# KiCad board Panel2.kicad_pcb (continued)
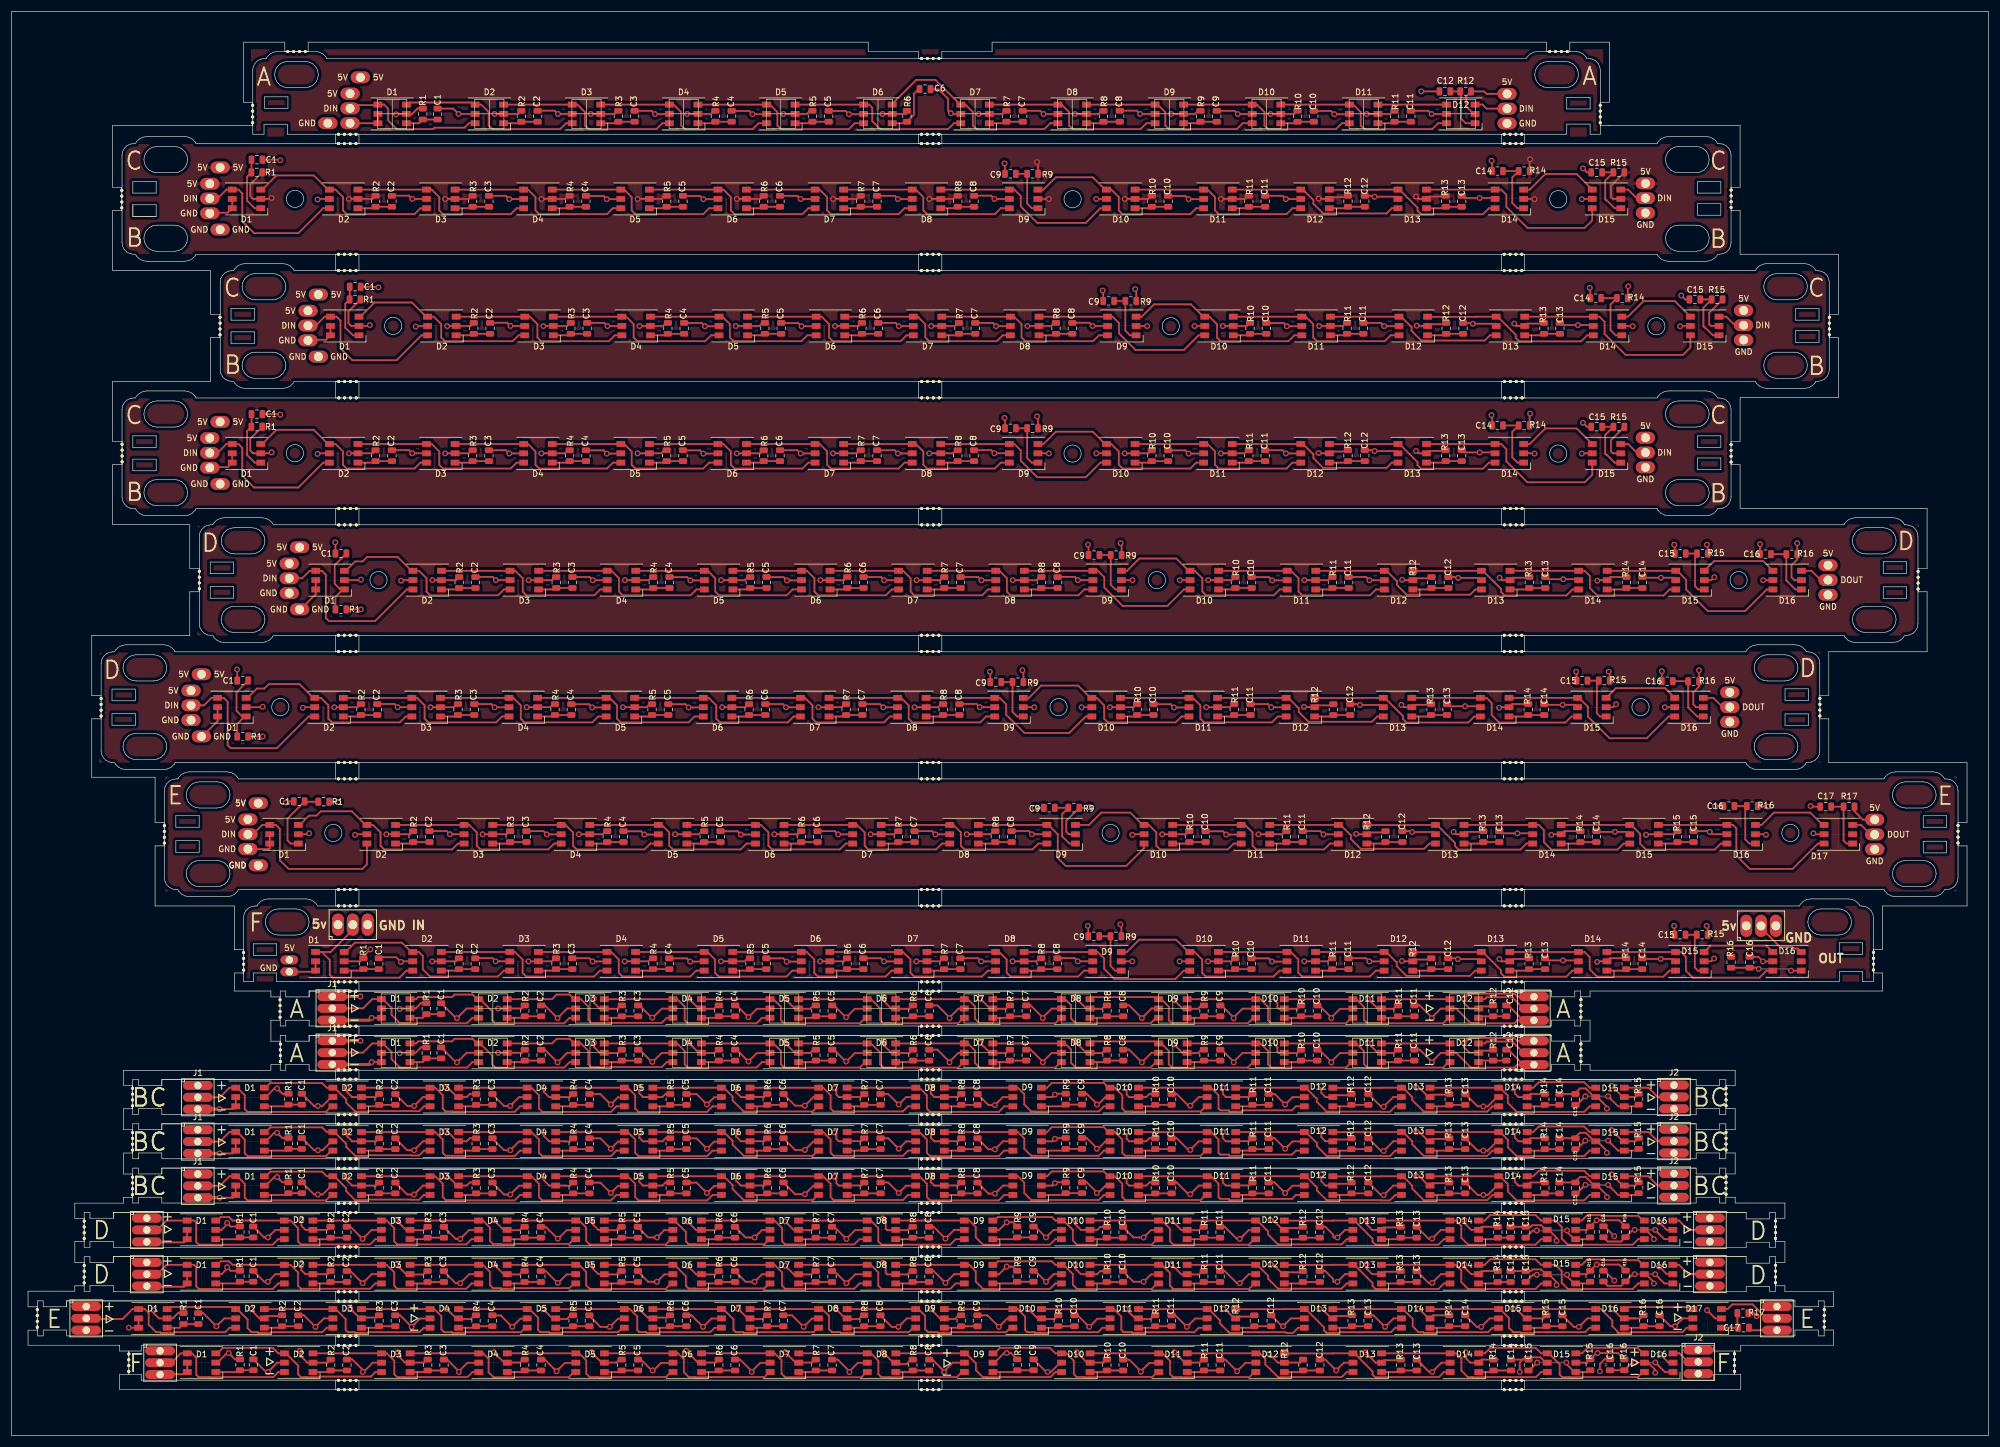
[diagram p0: board, top side]
## Routing (per net, layer and track width the routed paths; a pad name or vN(x,y) marks a point on that pad's centre or on a via; arc(x,y) is an arc through that point) (continued)
130.69,74.87 131.97,73.59 131.97,71.29 132.54,70.73 145.51,70.73 146.46,71.67 ; 129.64,67.27 130.69,67.27 131.97,65.99 131.97,63.7 132.54,63.13 145.51,63.13 146.46,64.07 ; 118.03,74.87 129.79,74.87 ; 118.03,67.27 129.79,67.27 ; 146.66,74.87 147.43,74.87 148.99,73.31 148.99,71.29 149.56,70.73 162.37,70.73 163.32,71.67 ; 146.66,67.27 147.43,67.27 148.99,65.71 148.99,63.7 149.56,63.13 162.37,63.13 163.32,64.07 ; 113.13,74.87 114.18,74.87 115.46,73.59 115.46,71.29 116.03,70.73 127.8,70.73 128.74,71.67 129.79,71.67 ; 113.13,67.27 114.18,67.27 115.46,65.99 115.46,63.7 116.03,63.13 127.8,63.13 128.74,64.07 129.79,64.07 ; 101.52,74.87 113.28,74.87 ; 101.52,67.27 113.28,67.27 ; 168.07,74.87 179.83,74.87 ; 168.07,67.27 179.83,67.27 ; 151.56,74.87 163.32,74.87 ; 151.56,67.27 163.32,67.27 ; 179.99,64.07 179.04,63.13 166.07,63.13 165.25,63.94 165.25,66.06 164.04,67.27 163.17,67.27 ; 179.99,71.67 179.04,70.73 166.07,70.73 165.25,71.54 165.25,73.66 164.04,74.87 163.17,74.87 ; 213.01,71.67 212.06,70.73 199.09,70.73 198.52,71.29 198.52,73.59 197.24,74.87 196.19,74.87 ; 213.01,64.07 212.06,63.13 199.09,63.13 198.52,63.7 198.52,65.99 197.24,67.27 196.19,67.27 ; 179.68,74.87 180.73,74.87 181.75,73.84 181.75,71.55 182.58,70.73 195.39,70.73 196.34,71.67 ; 179.68,67.27 180.73,67.27 181.75,66.25 181.75,63.95 182.58,63.13 195.39,63.13 196.34,64.07 ; 196.34,74.87 195.99,75.23 184.93,75.23 184.58,74.87 ; 196.34,67.27 195.99,67.63 184.93,67.63 184.58,67.27 ; 218.1,74.87 229.87,74.87 ; 218.1,67.27 229.87,67.27 ; 229.71,74.87 230.68,74.87 232,73.55 232,71.34 232.62,70.73 245.59,70.73 246.54,71.67 ; 229.71,67.27 230.68,67.27 232,65.95 232,63.74 232.62,63.13 245.59,63.13 246.54,64.07 ; 234.61,74.87 246.38,74.87 ; 234.61,67.27 246.38,67.27 ; v1(132.65,74.98) 134.4,73.23 136.99,73.23 137.57,73.8 ; v1(132.65,67.38) 134.4,65.63 136.99,65.63 137.57,66.21 ; v1(116.15,74.98) 117.9,73.23 120.48,73.23 121.06,73.8 ; v1(116.15,67.38) 117.9,65.63 120.48,65.63 121.06,66.21 ; v1(99.9,74.98) 99.9,74.27 100.95,73.23 103.97,73.23 104.55,73.8 ; v1(99.9,67.38) 99.9,66.67 100.95,65.63 103.97,65.63 104.55,66.21 ; v1(83.46,73.26) 83.47,73.27 D2#10.2 87.51,73.27 R2#10.1 ; v1(83.46,65.66) 83.47,65.67 D2#9.2 87.51,65.67 R2#9.1 ; D12#10.2 252.02,73.63 253.97,73.63 R12#10.1 ; D12#10.2 251.97,73.58 ; D12#10.2 250.11,73.27 249.15,74.23 v1(249.15,74.98) 250,75.83 257.8,75.83 258.32,75.31 J2#9.1 ; D12#9.2 252.02,66.03 253.97,66.03 R12#9.1 ; D12#9.2 251.97,65.98 ; D12#9.2 250.11,65.67 249.15,66.63 v1(249.15,67.38) 250,68.23 257.8,68.23 258.32,67.71 J2#8.1 ; v1(66.57,73.2) 66.64,73.27 D1#10.2 69.31,73.27 70.25,74.22 71.11,74.22 R1#10.1 ; v1(66.57,65.6) 66.64,65.67 D1#9.2 69.31,65.67 70.25,66.62 71.11,66.62 R1#9.1 ; v1(149.65,75.23) 149.65,74.52 150.95,73.23 154.01,73.23 154.59,73.8 ; v1(149.65,67.63) 149.65,66.92 150.95,65.63 154.01,65.63 154.59,66.21 ; v1(182.4,75.23) 184.4,73.23 187.03,73.23 187.61,73.8 ; v1(182.4,67.63) 184.4,65.63 187.03,65.63 187.61,66.21 ; v1(216.15,75.23) 217.15,74.23 217.15,73.48 217.4,73.23 220.56,73.23 221.14,73.8 ; v1(216.15,67.63) 217.15,66.63 217.15,65.88 217.4,65.63 220.56,65.63 221.14,66.21 ; 171.1,73.8 170.52,73.23 167.9,73.23 v1(166.15,74.98) ; 171.1,66.21 170.52,65.63 167.9,65.63 v1(166.15,67.38) ; 204.12,73.8 203.54,73.23 200.9,73.23 v1(199.4,74.73) ; 204.12,66.21 203.54,65.63 200.9,65.63 v1(199.4,67.13) ; v1(232.65,74.98) 234.4,73.23 237.07,73.23 237.65,73.8 ; v1(232.65,67.38) 234.4,65.63 237.07,65.63 237.65,66.21 ; 98.86,41.53 96.06,41.53 95.81,41.28 93.03,41.28 ; 98.86,56.73 96.06,56.73 95.81,56.48 93.03,56.48 ; 98.86,49.13 96.06,49.13 95.81,48.88 93.03,48.88 ; 82.35,41.53 79.55,41.53 79.3,41.28 76.52,41.28 ; 82.35,56.73 79.55,56.73 79.3,56.48 76.52,56.48 ; 82.35,49.13 79.55,49.13 79.3,48.88 76.52,48.88 ; 132.38,41.53 129.59,41.53 129.33,41.28 126.56,41.28 ; 132.38,56.73 129.59,56.73 129.33,56.48 126.56,56.48 ; 132.38,49.13 129.59,49.13 129.33,48.88 126.56,48.88 ; 109.54,41.28 112.32,41.28 112.57,41.53 115.37,41.53 ; 109.54,56.48 112.32,56.48 112.57,56.73 115.37,56.73 ; 109.54,48.88 112.32,48.88 112.57,49.13 115.37,49.13 ; 143.07,41.28 145.84,41.28 146.1,41.53 148.89,41.53 ; 143.07,56.48 145.84,56.48 146.1,56.73 148.89,56.73 ; 143.07,48.88 145.84,48.88 146.1,49.13 148.89,49.13 ; 221.73,42.85 219.75,42.85 v1(218.49,41.6) 216.68,43.41 215.66,43.41 ; 221.73,58.05 219.75,58.05 v1(218.49,56.8) 216.68,58.61 215.66,58.61 ; 221.73,50.45 219.75,50.45 v1(218.49,49.2) 216.68,51.01 215.66,51.01 ; C10#12.2 199.88,43.41 201.89,41.4 v1(202.19,41.4) 203.67,42.88 D11#11.5 ; C10#13.2 199.88,58.61 201.89,56.6 v1(202.19,56.6) 203.67,58.08 D11#13.5 ; C10#11.2 199.88,51.01 201.89,49 v1(202.19,49) 203.67,50.48 D11#12.5 ; 121.78,42.83 120.52,42.83 v1(119.29,41.6) 117.5,43.38 115.71,43.38 ; 121.78,58.03 120.52,58.03 v1(119.29,56.8) 117.5,58.58 115.71,58.58 ; 121.78,50.43 120.52,50.43 v1(119.29,49.2) 117.5,50.98 115.71,50.98 ; 132.4,43.41 134.41,41.4 v1(136.09,41.4) 137.55,42.85 138.47,42.85 ; 132.4,58.61 134.41,56.6 v1(136.09,56.6) 137.55,58.05 138.47,58.05 ; 132.4,51.01 134.41,49 v1(136.09,49) 137.55,50.45 138.47,50.45 ; 105.22,42.83 104.02,42.83 v1(102.79,41.6) 101,43.38 99.15,43.38 ; 105.22,58.03 104.02,58.03 v1(102.79,56.8) 101,58.58 99.15,58.58 ; 105.22,50.43 104.02,50.43 v1(102.79,49.2) 101,50.98 99.15,50.98 ; 165.65,43.43 167.59,41.5 v1(168.69,41.5) 170.07,42.88 171.72,42.88 ; 165.65,58.63 167.59,56.7 v1(168.69,56.7) 170.07,58.08 171.72,58.08 ; 165.65,51.03 167.59,49.1 v1(168.69,49.1) 170.07,50.48 171.72,50.48 ; 149.09,43.41 150.38,43.41 v1(152.19,41.6) 153.45,42.85 155.16,42.85 ; 149.09,58.61 150.38,58.61 v1(152.19,56.8) 153.45,58.05 155.16,58.05 ; 149.09,51.01 150.38,51.01 v1(152.19,49.2) 153.45,50.45 155.16,50.45 ; D10#11.5 187.67,42.88 186.39,41.6 v1(186.19,41.6) 186.19,41.7 184.44,43.45 C9#11.2 ; D10#13.5 187.67,58.08 186.39,56.8 v1(186.19,56.8) 186.19,56.9 184.44,58.65 C9#13.2 ; D10#12.5 187.67,50.48 186.39,49.2 v1(186.19,49.2) 186.19,49.3 184.44,51.05 C9#12.2 ; D14#8.5 254.85,42.88 253.25,41.28 v1(252.49,41.28) 251.51,41.28 C13#8.2 ; D14#10.5 254.85,58.08 253.25,56.48 v1(252.49,56.48) 251.51,56.48 C13#10.2 ; D14#9.5 254.85,50.48 253.25,48.88 v1(252.49,48.88) 251.51,48.88 C13#9.2 ; C12#11.2 234.94,41.23 v1(235.39,41.23) 237.04,42.88 D13#8.5 ; C12#13.2 234.94,56.43 v1(235.39,56.43) 237.04,58.08 D13#10.5 ; C12#12.2 234.94,48.83 v1(235.39,48.83) 237.04,50.48 D13#9.5 ; R12#13.1 229.64,58.38 226.98,58.38 D12#13.2 225.41,58.08 224.69,58.8 v1(224.69,60) ; R12#12.1 229.64,50.78 226.98,50.78 D12#12.2 225.41,50.48 224.69,51.2 v1(224.69,52.4) ; R12#11.1 229.64,43.18 226.98,43.18 D12#11.2 225.41,42.88 224.69,43.6 v1(224.69,44.8) ; R13#10.1 246.51,58.49 243.74,58.49 D13#10.2 243.09,58.08 241.47,59.7 v1(240.99,59.7) ; R13#9.1 246.51,50.89 243.74,50.89 D13#9.2 243.09,50.48 241.47,52.1 v1(240.99,52.1) ; R13#8.1 246.51,43.29 243.74,43.29 D13#8.2 243.09,42.88 241.47,44.5 v1(240.99,44.5) ; 263.3,58.61 260.53,58.61 D14#10.2 258.51,58.08 257.89,58.7 v1(257.89,59.8) ; 263.3,51.01 260.53,51.01 D14#9.2 258.51,50.48 257.89,51.1 v1(257.89,52.2) ; 263.3,43.41 260.53,43.41 D14#8.2 258.51,42.88 257.89,43.5 v1(257.89,44.6) ; R6#13.1 129.12,58.1 126.69,58.1 D6#13.2 125.11,58.08 124.29,58.9 v1(124.29,59.7) ; R6#12.1 129.12,50.5 126.69,50.5 D6#12.2 125.11,50.48 124.29,51.3 v1(124.29,52.1) ; R6#11.1 129.12,42.9 126.69,42.9 D6#11.2 125.11,42.88 124.29,43.7 v1(124.29,44.5) ; R15#10.1 278.57,58.08 D15#10.2 276.42,58.08 274.5,60 v1(274.49,60) ; R15#9.1 278.57,50.48 D15#9.2 276.42,50.48 274.5,52.4 v1(274.49,52.4) ; R15#8.1 278.57,42.88 D15#8.2 276.42,42.88 274.5,44.8 v1(274.49,44.8) ; R2#13.1 62.51,58.08 D2#13.2 58.41,58.08 57.49,59 v1(57.49,59.7) ; R2#12.1 62.51,50.48 D2#12.2 58.41,50.48 57.49,51.4 v1(57.49,52.1) ; R2#11.1 62.51,42.88 D2#11.2 58.41,42.88 57.49,43.8 v1(57.49,44.5) ; R5#13.1 112.18,58.61 111.65,58.08 D5#13.2 108.31,58.08 107.69,58.7 v1(107.69,59.7) ; R5#12.1 112.18,51.01 111.65,50.48 D5#12.2 108.31,50.48 107.69,51.1 v1(107.69,52.1) ; R5#11.1 112.18,43.41 111.65,42.88 D5#11.2 108.31,42.88 107.69,43.5 v1(107.69,44.5) ; R4#13.1 95.78,58.05 95.04,58.05 95.02,58.08 D4#13.2 92.21,58.08 91.29,59 v1(91.29,59.7) ; R4#12.1 95.78,50.45 95.04,50.45 95.02,50.48 D4#12.2 92.21,50.48 91.29,51.4 v1(91.29,52.1) ; R4#11.1 95.78,42.85 95.04,42.85 95.02,42.88 D4#11.2 92.21,42.88 91.29,43.8 v1(91.29,44.5) ; R3#13.1 78.6,58.61 78.07,58.08 D3#13.2 76.43,58.08 74.71,59.8 v1(74.29,59.8) ; R3#12.1 78.6,51.01 78.07,50.48 D3#12.2 76.43,50.48 74.71,52.2 v1(74.29,52.2) ; R3#11.1 78.6,43.41 78.07,42.88 D3#11.2 76.43,42.88 74.71,44.6 v1(74.29,44.6) ; R7#13.1 145.76,58.1 143.36,58.1 D7#13.2 141.91,58.08 141.49,58.5 141.49,59.3 v1(141.19,59.6) ; R7#12.1 145.76,50.5 143.36,50.5 D7#12.2 141.91,50.48 141.49,50.9 141.49,51.7 v1(141.19,52) ; R7#11.1 145.76,42.9 143.36,42.9 D7#11.2 141.91,42.88 141.49,43.3 141.49,44.1 v1(141.19,44.4) ; R8#13.1 162.41,58.1 160.03,58.1 D8#13.2 158.31,58.08 157.69,58.7 v1(157.69,59.8) ; R8#12.1 162.41,50.5 160.03,50.5 D8#12.2 158.31,50.48 157.69,51.1 v1(157.69,52.2) ; R8#11.1 162.41,42.9 160.03,42.9 D8#11.2 158.31,42.88 157.69,43.5 v1(157.69,44.6) ; R9#13.1 179.14,58.65 v1(178.99,58.5) 178.57,58.08 D9#13.2 ; R9#12.1 179.14,51.05 v1(178.99,50.9) 178.57,50.48 D9#12.2 ; R9#11.1 179.14,43.45 v1(178.99,43.3) 178.57,42.88 D9#11.2 ; v1(191.29,59.7) 191.29,58.5 191.71,58.08 D10#13.2 194.67,58.08 195.2,58.61 R10#13.1 ; v1(191.29,52.1) 191.29,50.9 191.71,50.48 D10#12.2 194.67,50.48 195.2,51.01 R10#12.1 ; v1(191.29,44.5) 191.29,43.3 191.71,42.88 D10#11.2 194.67,42.88 195.2,43.41 R10#11.1 ; R11#13.1 212.35,58.1 210.02,58.1 D11#13.2 208.31,58.08 207.79,58.6 v1(207.79,59.7) ; R11#12.1 212.35,50.5 210.02,50.5 D11#12.2 208.31,50.48 207.79,51 v1(207.79,52.1) ; R11#11.1 212.35,42.9 210.02,42.9 D11#11.2 208.31,42.88 207.79,43.4 v1(207.79,44.5) ; R1#11.1 46.44,43.45 v1(45.54,44.35) 45.06,44.35 43.59,42.88 D1#11.2 ; R1#13.1 46.44,58.65 v1(45.54,59.55) 45.06,59.55 43.59,58.08 D1#13.2 ; R1#12.1 46.44,51.05 v1(45.54,51.95) 45.06,51.95 43.59,50.48 D1#12.2 ; 38.42,44.45 D1#11.4 ; D1#11.4 37.37,44.48 35.72,42.83 J1#10.2 ; D1#11.4 38.69,44.48 39.99,43.18 39.99,40.81 40.47,40.33 53.91,40.33 54.86,41.28 D2#11.6 ; 38.42,59.65 D1#13.4 ; D1#13.4 37.37,59.68 35.72,58.03 J1#12.2 ; D1#13.4 38.69,59.68 39.99,58.38 39.99,56.01 40.47,55.53 53.91,55.53 54.86,56.48 D2#13.6 ; 38.42,52.05 D1#12.4 ; D1#12.4 37.37,52.08 35.72,50.43 J1#11.2 ; D1#12.4 38.69,52.08 39.99,50.78 39.99,48.41 40.47,47.93 53.91,47.93 54.86,48.88 D2#12.6 ; D1#11.5 D1#11.6 37.96,40.8 v1(35.69,40.8) ; D1#13.5 D1#13.6 37.96,56 v1(35.69,56) ; D1#12.5 D1#12.6 37.96,48.4 v1(35.69,48.4) ; 71.62,44.48 72.67,44.48 73.96,43.19 73.96,40.9 74.46,40.4 75.59,40.4 75.61,40.38 77.75,40.38 77.8,40.33 86.29,40.33 87.24,41.28 D4#11.6 ; 71.62,59.68 72.67,59.68 73.96,58.39 73.96,56.1 74.46,55.6 75.59,55.6 75.61,55.58 77.75,55.58 77.8,55.53 86.29,55.53 87.24,56.48 D4#13.6 ; 71.62,52.08 72.67,52.08 73.96,50.79 73.96,48.5 74.46,48 75.59,48 75.61,47.98 77.75,47.98 77.8,47.93 86.29,47.93 87.24,48.88 D4#12.6 ; D1#11.3 43.59,44.48 44.39,45.28 53.26,45.28 54.06,44.48 D2#11.4 55.36,44.48 57.39,42.45 57.39,41.93 58.94,40.38 61.08,40.38 61.18,40.48 68.58,40.48 68.61,40.45 69.9,40.45 70.73,41.28 D3#11.6 ; D1#13.3 43.59,59.68 44.39,60.48 53.26,60.48 54.06,59.68 D2#13.4 55.36,59.68 57.39,57.65 57.39,57.13 58.94,55.58 61.08,55.58 61.18,55.68 68.58,55.68 68.61,55.65 69.9,55.65 70.73,56.48 D3#13.6 ; D1#12.3 43.59,52.08 44.39,52.88 53.26,52.88 54.06,52.08 D2#12.4 55.36,52.08 57.39,50.05 57.39,49.53 58.94,47.98 61.08,47.98 61.18,48.08 68.58,48.08 68.61,48.05 69.9,48.05 70.73,48.88 D3#12.6 ; 76.52,44.48 88.29,44.48 ; 76.52,59.68 88.29,59.68 ; 76.52,52.08 88.29,52.08 ; 104.8,41.28 103.75,41.28 102.8,40.33 91.04,40.33 90.47,40.9 90.47,43.19 89.18,44.48 88.13,44.48 ; 104.8,56.48 103.75,56.48 102.8,55.53 91.04,55.53 90.47,56.1 90.47,58.39 89.18,59.68 88.13,59.68 ; 104.8,48.88 103.75,48.88 102.8,47.93 91.04,47.93 90.47,48.5 90.47,50.79 89.18,52.08 88.13,52.08 ; 93.03,44.48 104.8,44.48 ; 93.03,59.68 104.8,59.68 ; 93.03,52.08 104.8,52.08 ; 121.46,41.28 120.26,41.28 119.31,40.33 107.55,40.33 106.98,40.9 106.98,43.19 105.69,44.48 104.64,44.48 ; 121.46,56.48 120.26,56.48 119.31,55.53 107.55,55.53 106.98,56.1 106.98,58.39 105.69,59.68 104.64,59.68 ; 121.46,48.88 120.26,48.88 119.31,47.93 107.55,47.93 106.98,48.5 106.98,50.79 105.69,52.08 104.64,52.08 ; 109.54,59.68 121.31,59.68 ; 109.54,52.08 121.31,52.08 ; 109.54,44.48 121.31,44.48 ; 138.32,56.48 137.44,55.6 127.76,55.6 127.74,55.58 125.6,55.58 123.69,57.49 123.69,58.16 122.18,59.68 121.66,59.68 ; 138.32,48.88 137.44,48 127.76,48 127.74,47.98 125.6,47.98 123.69,49.89 123.69,50.56 122.18,52.08 121.66,52.08 ; 138.32,41.28 137.44,40.4 127.76,40.4 127.74,40.38 125.6,40.38 123.69,42.29 123.69,42.96 122.18,44.48 121.66,44.48 ; 126.56,59.68 138.32,59.68 ; 126.56,52.08 138.32,52.08 ; 126.56,44.48 138.32,44.48 ; 154.99,56.48 153.78,56.48 152.9,55.6 144.43,55.6 144.41,55.58 142.27,55.58 142.25,55.6 141.01,55.6 140.5,56.1 140.5,58.39 139.22,59.68 138.17,59.68 ; 154.99,48.88 153.78,48.88 152.9,48 144.43,48 144.41,47.98 142.27,47.98 142.25,48 141.01,48 140.5,48.5 140.5,50.79 139.22,52.08 138.17,52.08 ; 154.99,41.28 153.78,41.28 152.9,40.4 144.43,40.4 144.41,40.38 142.27,40.38 142.25,40.4 141.01,40.4 140.5,40.9 140.5,43.19 139.22,44.48 138.17,44.48 ; 143.07,59.68 154.83,59.68 ; 143.07,52.08 154.83,52.08 ; 143.07,44.48 154.83,44.48 ; 171.34,56.48 170.29,56.48 169.34,55.53 157.59,55.53 157.01,56.1 157.01,58.39 155.73,59.68 154.68,59.68 ; 171.34,48.88 170.29,48.88 169.34,47.93 157.59,47.93 157.01,48.5 157.01,50.79 155.73,52.08 154.68,52.08 ; 171.34,41.28 170.29,41.28 169.34,40.33 157.59,40.33 157.01,40.9 157.01,43.19 155.73,44.48 154.68,44.48 ; 159.58,59.68 171.34,59.68 ; 159.58,52.08 171.34,52.08 ; 159.58,44.48 171.34,44.48 ; 171.19,59.68 172.24,59.68 ; 171.19,52.08 172.24,52.08 ; 171.19,44.48 172.24,44.48 ; D10#13.6 187.39,56.48 186.51,55.6 177.76,55.6 177.74,55.58 175.6,55.58 175.58,55.6 174.92,55.6 173.73,56.79 173.73,58.57 172.62,59.68 D9#13.4 ; D10#12.6 187.39,48.88 186.51,48 177.76,48 177.74,47.98 175.6,47.98 175.58,48 174.92,48 173.73,49.19 173.73,50.97 172.62,52.08 D9#12.4 ; D10#11.6 187.39,41.28 186.51,40.4 177.76,40.4 177.74,40.38 175.6,40.38 175.58,40.4 174.92,40.4 173.73,41.59 173.73,43.37 172.62,44.48 D9#11.4 ; 193.11,59.68 204.87,59.68 ; 193.11,52.08 204.87,52.08 ; 193.11,44.48 204.87,44.48 ; 221.54,56.48 220.33,56.48 219.65,55.8 211.15,55.8 211.15,55.66 211.07,55.58 208.93,55.58 208.85,55.66 208.85,55.8 207.35,55.8 207.05,56.1 207.05,58.39 205.77,59.68 204.72,59.68 ; 221.54,48.88 220.33,48.88 219.65,48.2 211.15,48.2 211.15,48.06 211.07,47.98 208.93,47.98 208.85,48.06 208.85,48.2 207.35,48.2 207.05,48.5 207.05,50.79 205.77,52.08 204.72,52.08 ; 221.54,41.28 220.33,41.28 219.65,40.6 211.15,40.6 211.15,40.46 211.07,40.38 208.93,40.38 208.85,40.46 208.85,40.6 207.35,40.6 207.05,40.9 207.05,43.19 205.77,44.48 204.72,44.48 ; 209.62,59.68 221.38,59.68 ; 209.62,52.08 221.38,52.08 ; 209.62,44.48 221.38,44.48 ; D12#13.4 222.02,59.68 223.93,57.76 223.93,57.24 225.6,55.58 234.88,55.58 234.93,55.53 236.44,55.53 237.39,56.48 D13#10.6 ; D12#12.4 222.02,52.08 223.93,50.16 223.93,49.64 225.6,47.98 234.88,47.98 234.93,47.93 236.44,47.93 237.39,48.88 D13#9.6 ; D12#11.4 222.02,44.48 223.93,42.56 223.93,42.04 225.6,40.38 234.88,40.38 234.93,40.33 236.44,40.33 237.39,41.28 D13#8.6 ; R15#10.2 278.84,56.48 D15#10.1 275.61,56.48 v1(273.89,58.2) ; R15#9.2 278.84,48.88 D15#9.1 275.61,48.88 v1(273.89,50.6) ; R15#8.2 278.84,41.28 D15#8.1 275.61,41.28 v1(273.89,43) ; v1(269.99,58.2) 268.59,56.8 268.49,56.8 ; v1(269.99,50.6) 268.59,49.2 268.49,49.2 ; v1(269.99,43) 268.59,41.6 268.49,41.6 ; D14#10.1 263.05,56.48 263.3,56.73 266.04,56.73 ; D14#9.1 263.05,48.88 263.3,49.13 266.04,49.13 ; D14#8.1 263.05,41.28 263.3,41.53 266.04,41.53 ; D13#10.1 246.38,56.48 R13#10.2 C13#10.1 ; D13#9.1 246.38,48.88 R13#9.2 C13#9.1 ; D13#8.1 246.38,41.28 R13#8.2 C13#8.1 ; D13#10.3 D14#10.4 255.35,59.68 256.69,58.34 256.69,57.06 258.22,55.53 269.77,55.53 270.72,56.48 D15#10.6 ; D13#9.3 D14#9.4 255.35,52.08 256.69,50.74 256.69,49.46 258.22,47.93 269.77,47.93 270.72,48.88 D15#9.6 ; D13#8.3 D14#8.4 255.35,44.48 256.69,43.14 256.69,41.86 258.22,40.33 269.77,40.33 270.72,41.28 D15#8.6 ; D14#10.3 261.05,59.68 262,60.63 269.77,60.63 270.72,59.68 D15#10.4 ; D14#9.3 261.05,52.08 262,53.03 269.77,53.03 270.72,52.08 D15#9.4 ; D14#8.3 261.05,44.48 262,45.43 269.77,45.43 270.72,44.48 D15#8.4 ; J2#12.2 282.39,58.1 280.81,59.68 D15#10.3 ; J2#11.2 282.39,50.5 280.81,52.08 D15#9.3 ; J2#10.2 282.39,42.9 280.81,44.48 D15#8.3 ; 71.85,42.88 70.57,42.88 v1(69.04,41.35) 67.86,41.35 65.78,43.43 ; 71.85,58.08 70.57,58.08 v1(69.04,56.55) 67.86,56.55 65.78,58.63 ; 71.85,50.48 70.57,50.48 v1(69.04,48.95) 67.86,48.95 65.78,51.03 ; C1#11.2 51.88,41.35 v1(52.54,41.35) 53.33,41.35 54.86,42.88 D2#11.5 ; C1#13.2 51.88,56.55 v1(52.54,56.55) 53.33,56.55 54.86,58.08 D2#13.5 ; C1#12.2 51.88,48.95 v1(52.54,48.95) 53.33,48.95 54.86,50.48 D2#12.5 ; v1(273.69,40.9) 273.69,41.21 272.02,42.88 D15#8.5 271.52,42.88 270.05,44.35 269.04,44.35 268.1,43.41 266.04,43.41 ; v1(273.69,56.1) 273.69,56.41 272.02,58.08 D15#10.5 271.52,58.08 270.05,59.55 269.04,59.55 268.1,58.61 266.04,58.61 ; v1(273.69,48.5) 273.69,48.81 272.02,50.48 D15#9.5 271.52,50.48 270.05,51.95 269.04,51.95 268.1,51.01 266.04,51.01 ; 88.48,42.85 87.05,42.85 v1(85.54,41.35) 84.48,41.35 82.41,43.41 ; 88.48,58.05 87.05,58.05 v1(85.54,56.55) 84.48,56.55 82.41,58.61 ; 88.48,50.45 87.05,50.45 v1(85.54,48.95) 84.48,48.95 82.41,51.01 ; 204.87,41.28 203.99,40.4 194.43,40.4 194.41,40.38 192.27,40.38 192.25,40.4 191.04,40.4 190.54,40.9 190.54,43.19 189.26,44.48 188.21,44.48 ; 204.87,56.48 203.99,55.6 194.43,55.6 194.41,55.58 192.27,55.58 192.25,55.6 191.04,55.6 190.54,56.1 190.54,58.39 189.26,59.68 188.21,59.68 ; 204.87,48.88 203.99,48 194.43,48 194.41,47.98 192.27,47.98 192.25,48 191.04,48 190.54,48.5 190.54,50.79 189.26,52.08 188.21,52.08 ; D9#11.3 177.63,44.48 178.46,45.31 187.36,45.31 188.19,44.48 D10#11.4 ; D9#13.3 177.63,59.68 178.46,60.51 187.36,60.51 188.19,59.68 D10#13.4 ; D9#12.3 177.63,52.08 178.46,52.91 187.36,52.91 188.19,52.08 D10#12.4 ; D14#8.6 254.05,41.28 253.15,40.38 242.27,40.38 240.29,42.35 240.29,42.87 238.69,44.48 D13#8.4 235.01,44.48 234.99,44.45 226.69,44.45 D12#11.3 ; D14#10.6 254.05,56.48 253.15,55.58 242.27,55.58 240.29,57.55 240.29,58.07 238.69,59.68 D13#10.4 235.01,59.68 234.99,59.65 226.69,59.65 D12#13.3 ; D14#9.6 254.05,48.88 253.15,47.98 242.27,47.98 240.29,49.95 240.29,50.47 238.69,52.08 D13#9.4 235.01,52.08 234.99,52.05 226.69,52.05 D12#12.3 ; 159.58,41.28 162.35,41.28 162.61,41.53 165.4,41.53 ; 159.58,56.48 162.35,56.48 162.61,56.73 165.4,56.73 ; 159.58,48.88 162.35,48.88 162.61,49.13 165.4,49.13 ; 215.44,41.53 212.65,41.53 212.39,41.28 209.62,41.28 ; 215.44,56.73 212.65,56.73 212.39,56.48 209.62,56.48 ; 215.44,49.13 212.65,49.13 212.39,48.88 209.62,48.88 ; 193.11,41.28 195.88,41.28 196.14,41.53 198.93,41.53 ; 193.11,56.48 195.88,56.48 196.14,56.73 198.93,56.73 ; 193.11,48.88 195.88,48.88 196.14,49.13 198.93,49.13 ; C12#11.1 R12#11.2 229.61,41.28 D12#11.1 ; C12#13.1 R12#13.2 229.61,56.48 D12#13.1 ; C12#12.1 R12#12.2 229.61,48.88 D12#12.1 ; C9#11.1 R9#11.2 180.54,41.28 D9#11.1 ; C9#13.1 R9#13.2 180.54,56.48 D9#13.1 ; C9#12.1 R9#12.2 180.54,48.88 D9#12.1 ; C1#11.1 R1#11.2 47.19,41.28 D1#11.1 ; C1#13.1 R1#13.2 47.19,56.48 D1#13.1 ; C1#12.1 R1#12.2 47.19,48.88 D1#12.1 ; D2#11.3 D3#11.4 ; D2#13.3 D3#13.4 ; D2#12.3 D3#12.4 ; C2#11.1 R2#11.2 62.79,41.28 D2#11.1 ; C2#13.1 R2#13.2 62.79,56.48 D2#13.1 ; C2#12.1 R2#12.2 62.79,48.88 D2#12.1 ; C15#12.1 260.99,35.17 v1(261.66,35.17) ; C15#11.1 260.99,27.57 v1(261.66,27.57) ; v1(266.84,35.17) 266.84,34.93 268.09,33.68 D15#12.1 270.51,33.68 R15#12.2 ; v1(266.84,27.57) 266.84,27.32 268.09,26.07 D15#11.1 270.51,26.07 R15#11.2 ; D14#12.1 254.71,33.68 R14#12.2 257.71,33.93 ; D14#11.1 254.71,26.07 R14#11.2 257.71,26.33 ; D13#12.1 238.05,33.68 R13#12.2 C13#12.1 ; D13#11.1 238.05,26.07 R13#11.2 C13#11.1 ; D13#12.3 D14#12.4 247.8,36.88 